# Altium PCB J201M1_MOS_TEST.PcbDoc
Units mil, origin at the board's own origin, x right, y up, seen from the top; angles counter-clockwise.
Board outline 1535.43 x 2874.02 mil, 2 copper layers (TL, BL), stack 60.63 mil thick; 31 components, 21 nets, 111 pads, 32 vias.
Unrouted connection lines stored in the file: 107.
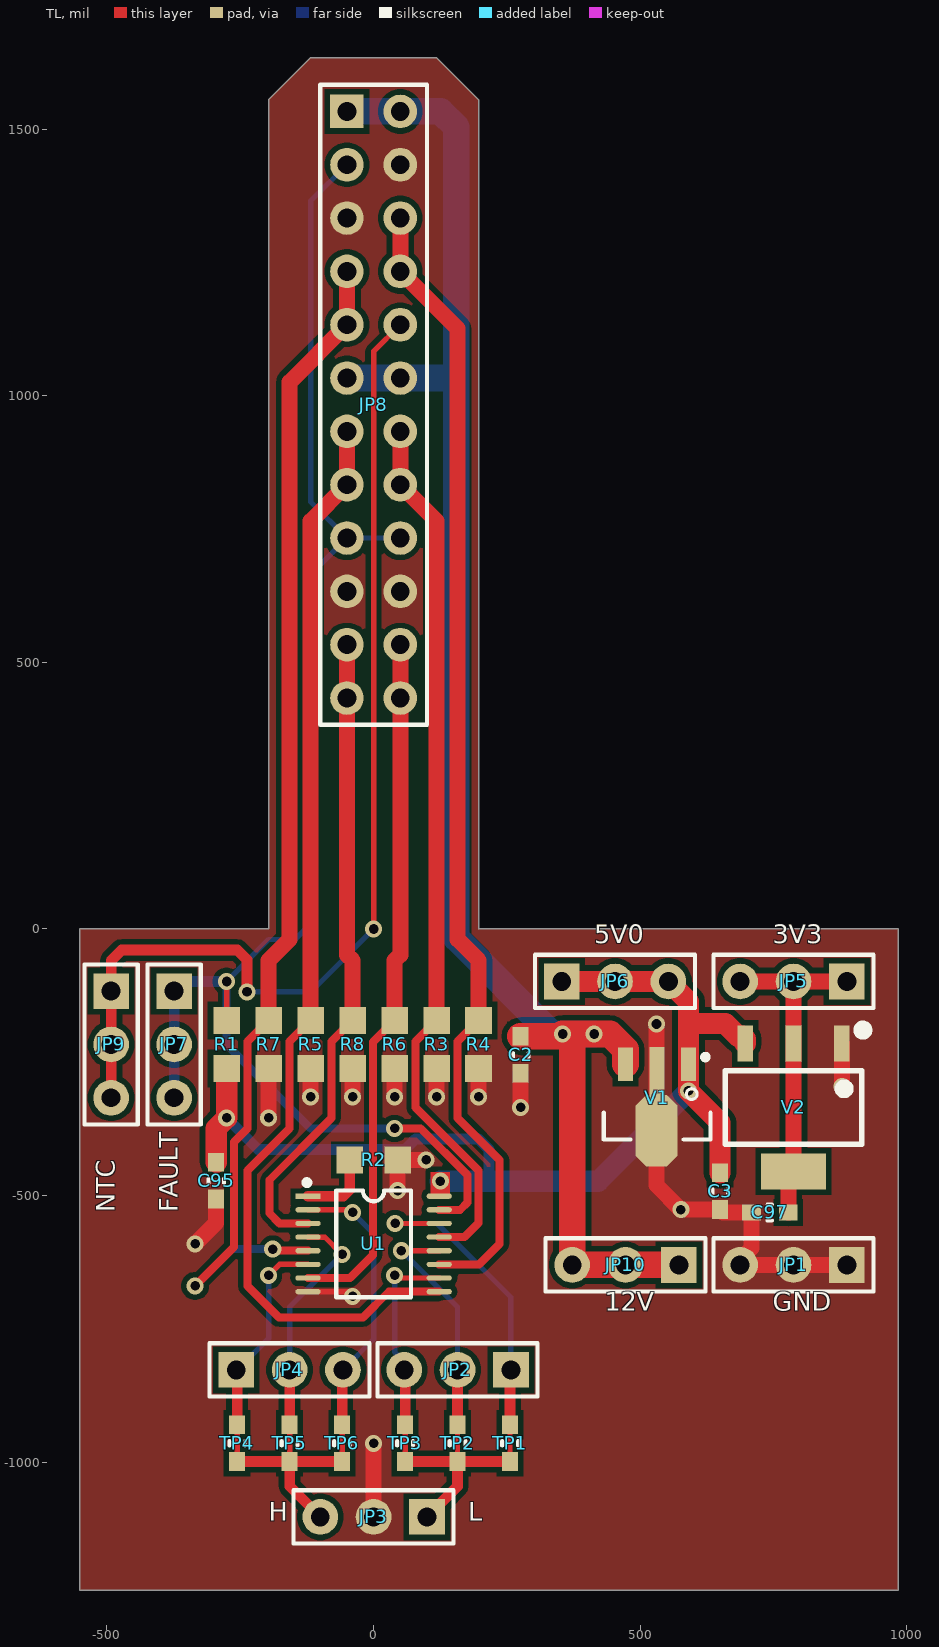
[diagram p0: TL view]
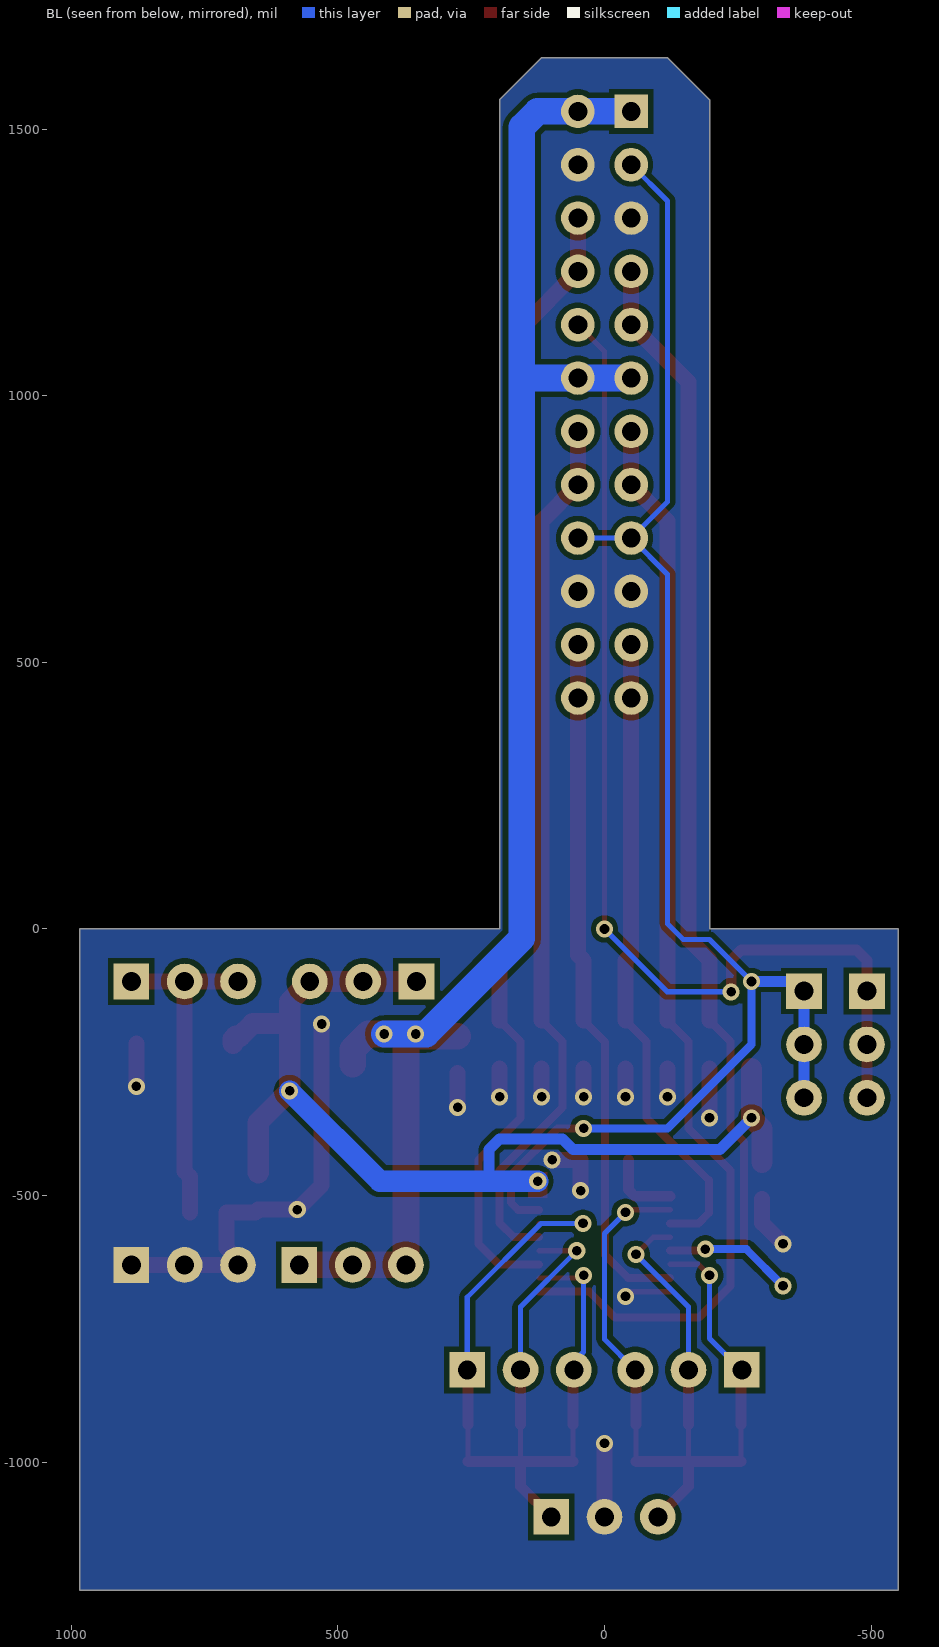
[diagram p1: BL view, seen from below]
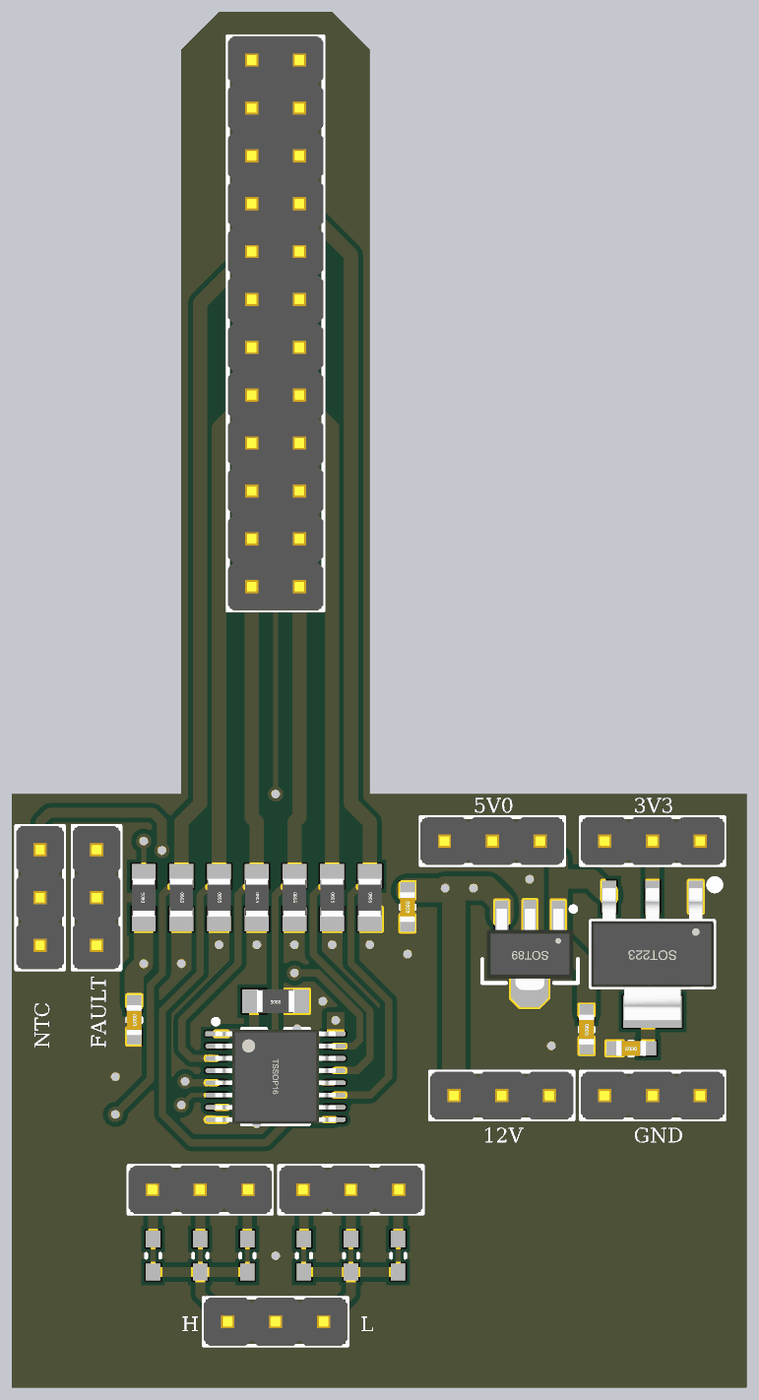
[diagram p2: 3D render of the assembled board from above, using the file's embedded part models]

## Layer stack, top to bottom
Top Solder: solder mask 0.3937, Solder Resist, Dk 3.5
TL: signal copper 0.3937
Dielectric 1: dielectric 59.8425, FR-4, Dk 4.8
BL: signal copper 0.3937
Bottom Solder: solder mask 0.3937, Solder Resist, Dk 3.5

## Board outline
-551.18,-1240.16 -551.18,0 -196.85,0 -196.85,1555.12 -118.11,1633.86 118.11,1633.86 196.85,1555.12 196.85,0 984.25,0 984.25,-1240.16

## Design rules (kind name [scope] priority, off if disabled: settings)
Clearance GND [InNet('GND')and InPolygon] p1: gap=10 ignorepadtopadclearanceinfootprint=FALSE
Clearance [All] p2: gap=6 ignorepadtopadclearanceinfootprint=TRUE
ComponentClearance [All] p1: gap=10 collisioncheckmode=3 verticalgap=10 showdistances=TRUE donotcheckwithout3dbody=TRUE
Height [All] p1: minheight=0 maxheight=2362.2 prefheight=500
HoleSize [All] p1: absolutevalues=TRUE maxlimit=500 minlimit=12 maxpercent=80.000 minpercent=20.000
MinimumSolderMaskSliver [All] p1: minsoldermaskwidth=0
PolygonConnect [All] p1: connectstyle=Direct reliefconductorwidth=10 reliefentries=4 polygonreliefangle="90 Angle" airgapwidth=10
RoutingVias [All] p1: holewidth=18 width=32 viastyle="Through Hole" minholewidth=12 minwidth=24 maxholewidth=999 maxwidth=999
SilkToSilkClearance [All] p1: silktosilkclearance=0
SilkToSolderMaskClearance [IsPad] p1: minsilkscreentomaskgap=0 clearancetoexposedcopper=TRUE
SolderMaskExpansion [All] p1: expansion=4 istentingtop=FALSE
Width [All] p1: maxlimit=999 minlimit=6 preferedwidth=12
24 further rules are at their usual default settings.

## Components (designator, comment, footprint, x,y, rotation, side; value= is the part's Value field where it differs from the comment)
C2 "100nf 50v" "C 0603" 275.59,-236.22 r270 top value=100nf
C3 "100nf 50v" "C 0603" 649.61,-492.13 r270 top value=100nf
C95 "100nf 50v" "C 0603" -295.28,-472.44 r270 top value=100nf
C97 "100nf 50v" "C 0603" 742.66,-531.5 r180 top value=100nf
JP1 "N/C" HDR-1X3 887.4,-629.92 r180 top
JP2 "N/C" HDR-1X3 257.48,-826.77 r180 top
JP3 "N/C" HDR-1X3 100,-1102.36 r180 top
JP4 "N/C" HDR-1X3 -257.48,-826.77 r0 top
JP5 "N/C" HDR-1X3 887.4,-98.43 r180 top
JP6 "N/C" HDR-1X3 352.76,-98.43 r0 top
JP7 "N/C" HDR-1X3 -374.02,-116.54 r270 top
JP8 "Header 2X11" HDR-12X2 -50,1533.07 r270 top
JP9 "N/C" HDR-1X3 -492.13,-116.54 r270 top
JP10 "N/C" HDR-1X3 572.44,-629.92 r180 top
R1 "10k" "R 0805" -275.59,-216.54 r90 top
R2 "10k" "R 0805" 0,-433.07 r180 top
R3 "10k" "R 0805" 118.11,-216.54 r270 top
R4 "10k" "R 0805" 196.85,-216.54 r270 top
R5 "10k" "R 0805" -118.11,-216.54 r270 top
R6 "10k" "R 0805" 39.37,-216.54 r270 top
R7 "10k" "R 0805" -196.85,-216.54 r270 top
R8 "10k" "R 0805" -39.37,-216.54 r270 top
TP1 "DEBUG PAD" "DEBUG PAD 0603" 255.91,-964.57 r270 top
TP2 "DEBUG PAD" "DEBUG PAD 0603" 157.48,-964.57 r270 top
TP3 "DEBUG PAD" "DEBUG PAD 0603" 59.06,-964.57 r270 top
TP4 "DEBUG PAD" "DEBUG PAD 0603" -255.91,-964.57 r270 top
TP5 "DEBUG PAD" "DEBUG PAD 0603" -157.48,-964.57 r270 top
TP6 "DEBUG PAD" "DEBUG PAD 0603" -59.06,-964.57 r270 top
U1 "MC74HC365ADTR2G" TSSOP16_L 0,-590.55 r0 top
V1 "78L05" SOT89_M 531.5,-334.65 r180 top
V2 "TLV1117LV33DCYR" SOT223_L 787.4,-334.65 r180 top

## Footprints (in the part's own frame and the unit in brackets; to place one, negate y for a bottom-side part, rotate by r counter-clockwise, add the part's x,y. Pads: shape width x height; smd on the part's side, far side on the other; paste and mask are expansions set on the pad)
"C 0603" [mil] "无极性贴片电容"
  rect 35x30 smd: 1(-35,0) 2(34,0)
  silkscreen extent -4,-15 4,15, body extent -31,-16 32,16, height 32
"DEBUG PAD 0603" [mil] "0603调试焊盘"
  rect 35x30 smd: 1(-35,0) 2(34,0)
  TL lines w10: 34,0 -35,0
  silkscreen extent -4,-15 4,15
HDR-1X3 [mm] "排针，3脚"
  rect 1.7x1.7 hole 0.9: 1(0,0)
  round 1.7 hole 0.9: 2(2.54,0) 3(5.08,0)
  silkscreen extent -1.27,-1.27 6.35,1.27, body extent -1.27,-1.27 6.35,1.27, height 8.5
HDR-12X2 [mm] "双排排针，12x2脚"
  rect 1.6x1.6 hole 0.9: 1(0,0)
  round 1.6 hole 0.9: 2(0,2.54) 3(2.54,0) 4(2.54,2.54) 5(5.08,0) 6(5.08,2.54) 7(7.62,0) 8(7.62,2.54) 9(10.16,0) 10(10.16,2.54) 11(12.7,0) 12(12.7,2.54) 13(15.24,0) 14(15.24,2.54) 15(17.78,0) 16(17.78,2.54) 17(20.32,0) 18(20.32,2.54) 19(22.86,0) 20(22.86,2.54) 21(25.4,0) 22(25.4,2.54) 23(27.94,0) 24(27.94,2.54)
  silkscreen extent -1.27,-1.27 29.21,3.81, body extent -1.27,-1.27 29.21,3.81, height 8.5
"R 0805" [mil] "1/8W贴片电阻"
  rect 50x50 smd: 1(-45,0) 2(45,0)
  body extent -39,-25 39,25, height 20
SOT89_M [mm] "4.6x4.3x1.6mm(长宽高)"
  rect 0.7x1.6 smd: 1(-1.5,-2.054) 3(1.5,-2.054)
  rect 0.7x2.4 smd: 2(0,-1.676)
  oct 2x3.4 smd: 2(0.025,1.118)
  silkscreen extent -2.54,-2.52 2.54,1.52, body extent -2.3,-2.4 2.3,1.9, height 1.6
SOT223_L [mm] "6.4x7x1.6mm(长宽高)"
  rect 0.75x1.7 smd: 1(-2.3,-3.048) 2(0,-3.048) 3(2.3,-3.048)
  rect 3.1x1.7 smd: 2(0,3.048)
  silkscreen extent -3.5,-3.88 3.25,1.75, body extent -3.25,-3.51 3.25,3.51, height 1.65
TSSOP16_L [mm] "5*6.4*1mm（长宽高）"
  rect 1.2x0.25 smd: 1(-3.125,2.275)
  oval 1.2x0.25 smd: 2(-3.125,1.625) 3(-3.125,0.975) 4(-3.125,0.325) 5(-3.125,-0.325) 6(-3.125,-0.975) 7(-3.125,-1.625) 8(-3.125,-2.275) 9(3.125,-2.275) 10(3.125,-1.625) 11(3.125,-0.975) 12(3.125,-0.325) 13(3.125,0.325) 14(3.125,0.975) 15(3.125,1.625) 16(3.125,2.275)
  silkscreen extent -3.3,-2.54 1.78,3.05, body extent -3.2,-2.5 3.2,2.5, height 1.03

## Part data
C2 C3 C95 C97: library part C, "无极性贴片电容", Voltage=50v
JP1 JP2 JP3 JP4 JP5 JP6 JP7 JP9 JP10: library part "Header 3", "3P接插件"
JP8: library part "Header 12X2", "12*2P接插件"
R1 R2 R3 R4 R5 R6 R7 R8: library part R, "贴片电阻"
TP1 TP2 TP3 TP4 TP5 TP6: library part DEBUG, "调试断点焊盘"
U1: library part SN74HC365D, "6路缓冲器"
V1: library part 78LXX, "SOT89线性稳压芯片"
V2: library part AMS1117, "三端稳压芯片"

## Via types
v1: diameter 32, hole 18, TL to BL, tented both sides, 32 vias

## Nets (pads, with @x,y where several pads share a name; then routed paths per layer and width w, separated by ;. In a path a pad name is that pad's centre, name@x,y a point inside that pad or via, vN(x,y) a via of type N, cw(c..) or ccw(c..) an arc to the next point about the centre after c; other vN are vias at no path point)
FAULT_U: JP7.1 JP7.2 JP7.3 JP8.3 JP8.17 JP8.18 R1.2 U1.15 | length 2970.3
  TL w10: R1.2 v1(-275.59,-98.43)
  TL w15: v1(39.37,-374.02) 88.41,-374.02 175.85,-461.45 175.85,-513.13 162.4,-526.57 U1.15
  BL w10: v1(-275.59,-98.43) -196.85,-19.69 -147.63,-19.69 -118.11,9.84 -118.11,664.96 JP8.17 ; JP8.3 -118.11,1364.96 -118.11,801.18 JP8.17 ; JP8.18 JP8.17
  BL w15: v1(-275.59,-98.43) -275.59,-216.54 -118.11,-374.02 v1(39.37,-374.02)
  BL w20: JP7.3 JP7.2 JP7.1 -355.91,-98.43 v1(-275.59,-98.43)
GND: C2.2 C3.2 C95.2 C97.2 JP1.1 JP1.2 JP1.3 JP3.2 JP8.4 JP8.5 JP8.19 JP8.20 R2.1 R3.2 R4.2 R5.2 R6.2 R7.2 R8.2 U1.8 V1.2 V2.1 | length 1751.6
  TL w10: U1.8 -48.23,-680.12 v1(-39.37,-688.98)
  TL w30: v1(-334.65,-590.55) -295.28,-551.18 C95.2 ; v1(-196.85,-354.33) R7.2 ; v1(-118.11,-314.96) R5.2 ; v1(-39.37,-314.96) R8.2 ; JP3.2 v1(0,-964.57) ; v1(39.37,-314.96) R6.2 ; v1(45,-490.55) R2.1 v1(98.43,-433.07) ; v1(118.11,-314.96) R3.2 ; v1(196.85,-314.96) R4.2 ; v1(275.59,-334.64) C2.2 ; v1(530.5,-178.17) 530.5,-378.65 530.5,-480.38 v1(576.24,-526.12) C3.2 649.6,-528.62 652.1,-528.62 654.98,-531.5 C97.2 708.66,-598.67 687.4,-619.93 JP1.3 JP1.2 JP1.1 ; v1(877.95,-295.2) V2.1
NetJP3_1: JP3.1 TP1.2 TP2.2 TP3.2 | length 324.5
  TL w20: TP3.2 TP2.2 ; JP3.1 157.48,-1044.88 TP2.2 ; TP1.2 TP2.2
NetJP3_3: JP3.3 TP4.2 TP5.2 TP6.2 | length 324.5
  TL w20: TP4.2 TP5.2 ; JP3.3 -157.48,-1044.88 TP5.2 ; TP6.2 TP5.2
NetR2_2: R2.2 U1.1 | length 139.1
  TL w20: U1.1 -56.72,-500.98 -45,-489.27 R2.2
NTC_DRV: JP8.10 JP9.1 JP9.2 JP9.3 | length 2027.9
  TL w10: v1(0,0) 0,1083.07 JP8.10
  TL w20: JP9.3 JP9.2 JP9.1 -492.13,-59.06 -472.44,-39.37 -255.91,-39.37 -237.4,-57.88 v1(-237.4,-117.81)
  BL w10: v1(-237.4,-117.81) -117.81,-117.81 v1(0,0)
PWM_HU: JP8.21 JP8.23 R8.1 U1.3 | length 1215.5
  TL w15: U1.3 -176.18,-552.17 -195.54,-532.81 -195.54,-471.13 -78.74,-354.33 -78.74,-210.91 R8.1
  TL w30: JP8.21 JP8.23 -50,-48.43 -39.37,-59.06 R8.1
PWM_HV: JP8.7 JP8.9 R7.1 U1.5 | length 2261.6
  TL w15: v1(-334.65,-669.29) -261.78,-596.42 -261.78,-399.57 -236.22,-374.02 -236.22,-210.91 R7.1 ; v1(-189.14,-600.46) -186.25,-603.35 U1.5
  TL w30: R7.1 -196.85,-59.06 -157.48,-19.69 -157.48,1025.59 JP8.9 JP8.7
  BL w15: v1(-334.65,-669.29) -265.81,-600.46 v1(-189.14,-600.46)
PWM_HW: JP8.22 JP8.24 R6.1 U1.7 | length 1305.4
  TL w15: U1.7 -44.29,-654.53 -0.87,-611.11 -0.87,-211.78 R6.1
  TL w30: R6.1 39.37,-59.06 50,-48.43 JP8.24 JP8.22
PWM_LU: JP8.13 JP8.15 R5.1 U1.9 | length 2083.2
  TL w15: R5.1 -157.48,-210.91 -157.48,-374.02 -236.22,-452.76 -236.22,-669.29 -177.17,-728.35 -19.69,-728.35 28.54,-680.12 U1.9
  TL w30: R5.1 -118.11,764.96 JP8.15 JP8.13
PWM_LV: JP8.6 JP8.8 R4.1 U1.11 | length 2162.5
  TL w15: U1.11 197.83,-628.94 236.22,-590.55 236.22,-433.07 157.48,-354.33 157.48,-210.91 R4.1
  TL w30: JP8.6 JP8.8 157.48,1125.59 157.48,-19.69 196.85,-59.06 R4.1
PWM_LW: JP8.14 JP8.16 R3.1 U1.13 | length 1662.5
  TL w15: R3.1 78.74,-210.91 78.74,-334.65 196.85,-452.76 196.85,-551.18 170.28,-577.76 U1.13
  TL w30: JP8.14 JP8.16 118.11,764.96 R3.1
S_HU: JP4.3 TP6.1 U1.2 | length 524.5
  TL w10: U1.2 -50.24,-526.58 -45.32,-531.5 v1(-39.37,-531.5)
  TL w20: TP6.1 -59.06,-828.35 JP4.3
  BL w10: JP4.3 0,-769.29 0,-570.87 v1(-39.37,-531.5)
S_HV: JP4.2 TP5.1 U1.4 | length 437.5
  TL w10: U1.4 -91.54,-577.76 v1(-59.06,-610.24)
  TL w20: TP5.1 JP4.2
  BL w10: JP4.2 -157.48,-708.66 v1(-59.06,-610.24)
S_HW: JP4.1 TP4.1 U1.6 | length 387.5
  TL w10: v1(-196.85,-649.61) -176.18,-628.94 U1.6
  TL w20: JP4.1 -255.91,-828.35 TP4.1
  BL w10: JP4.1@-255.91,-826.77 -196.85,-767.72 v1(-196.85,-649.61)
S_LU: JP2.3 TP3.1 U1.10 | length 373.8
  TL w10: v1(39.37,-649.61) 44.29,-654.53 U1.10
  TL w20: JP2.3 59.06,-828.35 TP3.1
  BL w10: v1(39.37,-649.61) 39.37,-793.26 57.48,-811.37 JP2.3
S_LV: JP2.2 TP2.1 U1.12 | length 440.7
  TL w10: v1(52.17,-603.35) U1.12
  TL w20: TP2.1 JP2.2
  BL w10: v1(52.17,-603.35) 157.48,-708.66 JP2.2
S_LW: JP2.1 TP1.1 U1.14 | length 596.8
  TL w10: v1(40.35,-552.17) U1.14
  TL w20: TP1.1 255.91,-828.35 JP2.1
  BL w10: v1(40.35,-552.17) 119.09,-552.17 257.48,-690.55 JP2.1
VCCDRV5V: C3.1 C95.1 JP6.1 JP6.2 JP6.3 R1.1 U1.16 V1.1 V2.3 | length 2037.1
  TL w40: C95.1 -295.28,-374.02 v1(-275.59,-354.33) R1.1 ; JP6.1 JP6.3 590.55,-136.22 590.55,-177.17 ; C3.1 649.6,-362.75 v1(590.55,-303.7) V1.1 590.55,-177.17 ; V2.3 696.85,-206.42 691.61,-201.18 683.39,-201.18 659.37,-177.17 590.55,-177.17
  BL w20: v1(-275.59,-354.33) -216.54,-413.39 59.06,-413.39 78.74,-393.7 196.85,-393.7 216.54,-413.39 216.54,-472.77
  BL w40: v1(125.26,-472.77) 216.54,-472.77 421.48,-472.77 v1(590.55,-303.7)
VCCDRV12V: C2.1 JP8.1 JP8.2 JP8.11 JP8.12 JP10.1 JP10.2 JP10.3 V1.3 | length 3156.6
  TL w50: C2.1 v1@354.33,-201.22 ; V1.3 472.44,-226.14 443.15,-196.85 v1(413.39,-196.85) v1(354.33,-196.85) 372.44,-214.96 JP10.3 JP10.2 JP10.1
  BL w50: JP8.11 147.24,1033.07 155.12,1040.94 ; JP8.1 125.83,1533.07 155.12,1503.78 155.12,-17.32 334.65,-196.85 v1(354.33,-196.85) v1(413.39,-196.85)
VCCMCU3V3: C97.1 JP5.1 JP5.2 JP5.3 V2.2 | length 637.1
  TL w30: JP5.3 JP5.2 ; C97.1 777.66,-464.39 787.4,-454.65 787.4,-214.65 JP5.2 ; JP5.1 JP5.2

## Polygon pours and split planes (outlines as drawn)
GND on TL "GND_L01_P000" (solid, remove dead copper, pour order 0): -551.18,-1240.16 -551.18,0 -196.85,0 -196.85,1555.12 -118.11,1633.86 118.11,1633.86 196.85,1555.12 196.85,0 984.25,0 984.25,-1240.16
GND on BL "GND_L02_P001" (solid, remove dead copper, pour order 1): -551.18,-1240.16 -551.18,0 -196.85,0 -196.85,1555.12 -118.11,1633.86 118.11,1633.86 196.85,1555.12 196.85,0 984.25,0 984.25,-1240.16

## Other copper
TL:
  rectangle net VCCDRV5V: 107.06,-504.46 143.7,-455.35

## Silkscreen, mask and mechanical layers (free items; w line width, h text height)
Top Overlay:
  text "5V0" at 413.44,-38.87 h60
  text "3V3" at 748.09,-38.87 h60
  text "NTC" at -472.94,-531.44 h60 r90
  text "FAULT" at -354.83,-531.44 h60 r90
  text "12V" at 433.13,-727.85 h60
  text "GND" at 748.09,-727.85 h60
  text "H" at -196.79,-1122.05 h60
  text "L" at 177.22,-1122.05 h60
Mechanical 1:
  lines w1: -551.18,-1240.16 984.25,-1240.16 984.25,0 196.85,0 196.85,1555.12 118.11,1633.86 0,1633.86 -118.11,1633.86 -196.85,1555.12 -196.85,0 -551.18,0 -551.18,-1240.16
Mechanical 2:
  lines w1: -1692.91,1259.84 -1692.91,1574.8 -1692.91,1968.5 -1358.27,1968.5 -964.57,1574.8 -334.65,1574.8 -157.48,1397.64 -78.74,1397.64 157.48,1397.64 275.59,1515.75 275.59,1968.5 531.5,1968.5 590.55,1909.45 590.55,1830.71 787.4,1633.86 1181.1,1633.86 1240.16,1574.8 1240.16,-1062.99 1240.16,-1102.36 531.5,-1102.36 255.91,-826.77 -255.91,-826.77 -531.5,-1102.36 -1476.38,-1102.36 -1476.38,1043.31 -1692.91,1259.84
Mechanical 13:
  circle w10: c0,-1377.95 r531.5
  circle w10: c-2086.61,-1377.95 r531.5